# Altium PCB Faith ruler V2.14.PcbDoc
Units mil, origin at the board's own origin, x right, y up, seen from the top; angles counter-clockwise.
Board outline 7995 x 1220 mil, 2 copper layers (Top Layer, Bottom Layer); 16 components, 42 nets, 321 pads, 16 vias.
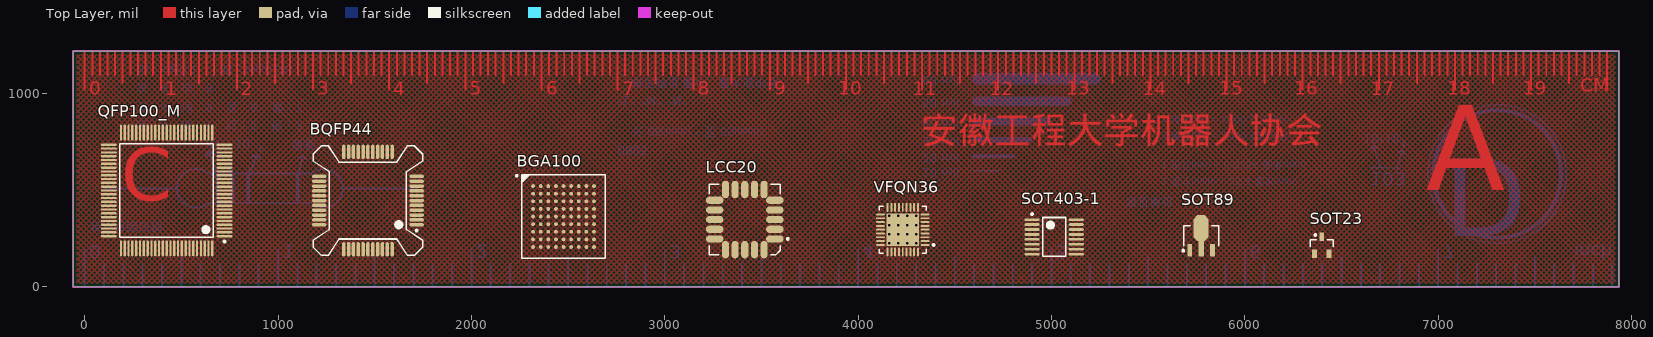
[diagram p0: Top Layer view]
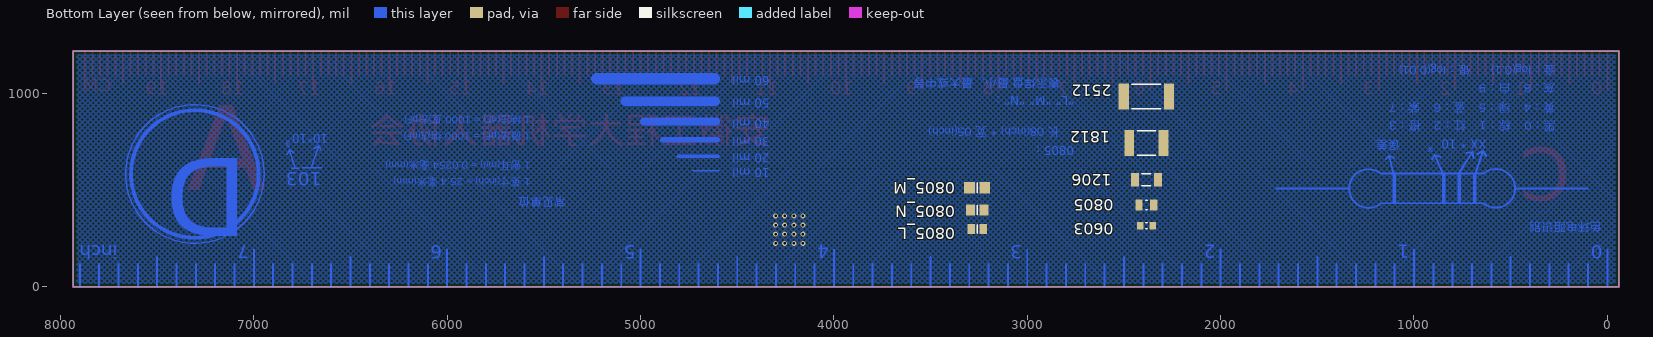
[diagram p1: Bottom Layer view, seen from below]

## Layer stack, top to bottom
Top Solder: solder mask 0.4, Solder Resist, Dk 3.5
Top Layer: signal copper 1.4
Dielectric 1: dielectric 12.6, FR-4, Dk 4.8
Bottom Layer: signal copper 1.4
Bottom Solder: solder mask 0.4, Solder Resist, Dk 3.5

## Board outline
-60,0 -60,1220 7935,1220 7935,0
cut-out: 7335.6,206.97

## Design rules (kind name [scope] priority, off if disabled: settings)
Clearance Clearance_1 [All] p1: gap=10 ignorepadtopadclearanceinfootprint=FALSE
Clearance [All] p2: gap=10 ignorepadtopadclearanceinfootprint=FALSE except(0: Arc-Hole Track-Hole SMDPad-Hole THPad-Hole Via-Hole Fill-Hole Poly-Hole Region-Hole Text-Hole)
PolygonConnect [All] p1: connectstyle=Relief reliefconductorwidth=10 reliefentries=4 polygonreliefangle="90 Angle" airgapwidth=10
RoutingVias [All] p1: holewidth=28 width=50 viastyle="Through Hole" minholewidth=28 minwidth=50 maxholewidth=28 maxwidth=50
SolderMaskExpansion [All] p1: expansion=4 istentingtop=FALSE
Width [All] p1: maxlimit=70 minlimit=7 preferedwidth=10
30 further rules are at their usual default settings.

## Components (designator, comment, footprint, x,y, rotation, side; value= is the part's Value field where it differs from the comment)
0603 "" CAPC1608X04N 2384,315.93 r0 top
0805 "" CAPC2012X06N 2384,424 r0 top
0805_L "Comment" 6-0805_L 3259.07,300 r0 bottom
0805_M "Comment" 6-0805_M 3259.07,513 r0 bottom
0805_N "Comment" 6-0805_N 3259.07,398 r0 bottom
1206 "" CAPC3216X06N 2384,554 r0 top
1812 "" CAPC4832X06N 2384,744 r0 top
2512 "" CAPC6432X06N 2384,985 r0 top
BGA100 "Comment" BGA81C100P9X9_1100X1100X350 2476.63,364.16 r0 top locked
BQFP44 "Comment" BQFP64P1346X1346X254-44M 1465,446.83 r180 top
LCC20 "Comment" LCCS127P889X889X254-20N 3414,348.41 r180 top
QFP100_M "Comment" LQFP100_M 424,499 r180 top
SOT23 "Comment" SOT23_N 6398,215.54 r90 top
SOT89 "Comment" SOT89M 5774,264.75 r90 top
SOT403-1 "Comment" SOT403-1_M 5014,258.84 r0 top
VFQN36 "Comment" VFQN36_M 4231.16,296.24 r180 top

## Footprints (in the part's own frame and the unit in brackets; to place one, negate y for a bottom-side part, rotate by r counter-clockwise, add the part's x,y. Pads: shape width x height; smd on the part's side, far side on the other; paste and mask are expansions set on the pad)
6-0805_L [mm] "Chip Resistor, Body 2.0x1.2mm, IPC High Density"
  rect 1x1.3 smd: 1(-0.8,0) 2(0.8,0)
  silkscreen extent 0,-0.55 0,0.55, body extent -1.07,-0.7 1.07,0.7, height 0.7
6-0805_M [mm] "Chip Resistor, Body 2.0x1.2mm, IPC Low Density"
  rect 1.4x1.5 smd: 1(-1,0) 2(1,0)
  silkscreen extent 0,-0.65 0,0.65, body extent -1.07,-0.7 1.07,0.7, height 0.7
6-0805_N [mm] "Chip Resistor, Body 2.0x1.2mm, IPC Medium Density"
  rect 1.2x1.4 smd: 1(-0.9,0) 2(0.9,0)
  silkscreen extent 0,-0.6 0,0.6, body extent -1.07,-0.7 1.07,0.7, height 0.7
BGA81C100P9X9_1100X1100X350 [mm] "BGA, 81-Leads, Body 11.00x11.00mmx3.50mm, Pitch 1.00mm"
  round 0.5 smd: A1(-4,4) A2(-3,4) A3(-2,4) A4(-1,4) A5(0,4) A6(1,4) A7(2,4) A8(3,4) A9(4,4) B1(-4,3) B2(-3,3) B3(-2,3) B4(-1,3) B5(0,3) B6(1,3) B7(2,3) B8(3,3) B9(4,3) C1(-4,2) C2(-3,2) C3(-2,2) C4(-1,2) C5(0,2) C6(1,2) C7(2,2) C8(3,2) C9(4,2) D1(-4,1) D2(-3,1) D3(-2,1) D4(-1,1) D5(0,1) D6(1,1) D7(2,1) D8(3,1) D9(4,1) E1(-4,0) E2(-3,0) E3(-2,0) E4(-1,0) E5(0,0) E6(1,0) E7(2,0) E8(3,0) E9(4,0) F1(-4,-1) F2(-3,-1) F3(-2,-1) F4(-1,-1) F5(0,-1) F6(1,-1) F7(2,-1) F8(3,-1) F9(4,-1) G1(-4,-2) G2(-3,-2) G3(-2,-2) G4(-1,-2) G5(0,-2) G6(1,-2) G7(2,-2) G8(3,-2) G9(4,-2) H1(-4,-3) H2(-3,-3) H3(-2,-3) H4(-1,-3) H5(0,-3) H6(1,-3) H7(2,-3) H8(3,-3) H9(4,-3) J1(-4,-4) J2(-3,-4) J3(-2,-4) J4(-1,-4) J5(0,-4) J6(1,-4) J7(2,-4) J8(3,-4) J9(4,-4)
  silkscreen extent -6.27,-5.5 5.5,5.5, body extent -5.5,-5.5 5.5,5.5, height 3.5
BQFP64P1346X1346X254-44M [mm] "BQFP, 44-Leads, Body 13.47x13.47mm, Pitch 0.635mm, IPC Low Density"
  oval 1.9x0.45 smd: 1(-6.4,3.175) 2(-6.4,2.54) 3(-6.4,1.905) 4(-6.4,1.27) 5(-6.4,0.635) 6(-6.4,0) 7(-6.4,-0.635) 8(-6.4,-1.27) 9(-6.4,-1.905) 10(-6.4,-2.54) 11(-6.4,-3.175) 23(6.4,-3.175) 24(6.4,-2.54) 25(6.4,-1.905) 26(6.4,-1.27) 27(6.4,-0.635) 28(6.4,0) 29(6.4,0.635) 30(6.4,1.27) 31(6.4,1.905) 32(6.4,2.54) 33(6.4,3.175)
  oval 0.45x1.9 smd: 12(-3.175,-6.4) 13(-2.54,-6.4) 14(-1.905,-6.4) 15(-1.27,-6.4) 16(-0.635,-6.4) 17(0,-6.4) 18(0.635,-6.4) 19(1.27,-6.4) 20(1.905,-6.4) 21(2.54,-6.4) 22(3.175,-6.4) 34(3.175,6.4) 35(2.54,6.4) 36(1.905,6.4) 37(1.27,6.4) 38(0.635,6.4) 39(0,6.4) 40(-0.635,6.4) 41(-1.27,6.4) 42(-1.905,6.4) 43(-2.54,6.4) 44(-3.175,6.4)
  silkscreen extent -7.2,-7.2 7.2,7.2, body extent -7.2,-7.2 7.2,7.2, height 2.54
CAPC1608X04N [mm] "Chip Capacitor, 2-Leads, Body 1.60x0.80mm, IPC Medium Density"
  rect 0.85x1 smd far side: 1(-0.825,0) 2(0.825,0)
  body extent -0.87,-0.47 0.87,0.48, height 0.4
CAPC2012X06N [mm] "Chip Capacitor, 2-Leads, Body 2.00x1.25mm, IPC Medium Density"
  rect 0.95x1.45 smd far side: 1(-0.975,0) 2(0.975,0)
  body extent -1.1,-0.7 1.1,0.7, height 0.6
CAPC3216X06N [mm] "Chip Capacitor, 2-Leads, Body 3.20x1.60mm, IPC Medium Density"
  rect 1.05x1.8 smd far side: 1(-1.525,0) 2(1.525,0)
  body extent -1.7,-0.87 1.7,0.87, height 0.55
CAPC4832X06N [mm] "Chip Capacitor, 2-Leads, Body 4.85x3.20mm, IPC Medium Density"
  rect 1.3x3.4 smd far side: 1(-2.25,0) 2(2.25,0)
  body extent -2.55,-1.7 2.55,1.7, height 0.55
CAPC6432X06N [mm] "Chip Capacitor, 2-Leads, Body 6.40x3.20mm, IPC Medium Density"
  rect 1.35x3.4 smd far side: 1(-2.975,0) 2(2.975,0)
  body extent -3.3,-1.7 3.3,1.7, height 0.55
LCCS127P889X889X254-20N [mm] "LCC, 20-Pins, Body 8.89x8.89mmx2.54mm, Pitch 1.27mm, IPC Medium Density"
  oval 2.3x0.95 smd: 1(-3.95,2.54) 2(-3.95,1.27) 3(-3.95,0) 4(-3.95,-1.27) 5(-3.95,-2.54) 11(3.95,-2.54) 12(3.95,-1.27) 13(3.95,0) 14(3.95,1.27) 15(3.95,2.54)
  oval 0.95x2.3 smd: 6(-2.54,-3.95) 7(-1.27,-3.95) 8(0,-3.95) 9(1.27,-3.95) 10(2.54,-3.95) 16(2.54,3.95) 17(1.27,3.95) 18(0,3.95) 19(-1.27,3.95) 20(-2.54,3.95)
  silkscreen extent -5.77,-4.65 4.65,4.65, body extent -4.45,-4.45 4.45,4.45, height 2.54
LQFP100_M [mm] "Thin QFP, 100-Leads, Body 14x14mm, Pitch 0.5mm, IPC Low Density"
  oval 2.1x0.3 smd: 1(-7.6,6) 2(-7.6,5.5) 3(-7.6,5) 4(-7.6,4.5) 5(-7.6,4) 6(-7.6,3.5) 7(-7.6,3) 8(-7.6,2.5) 9(-7.6,2) 10(-7.6,1.5) 11(-7.6,1) 12(-7.6,0.5) 13(-7.6,0) 14(-7.6,-0.5) 15(-7.6,-1) 16(-7.6,-1.5) 17(-7.6,-2) 18(-7.6,-2.5) 19(-7.6,-3) 20(-7.6,-3.5) 21(-7.6,-4) 22(-7.6,-4.5) 23(-7.6,-5) 24(-7.6,-5.5) 25(-7.6,-6) 51(7.6,-6) 52(7.6,-5.5) 53(7.6,-5) 54(7.6,-4.5) 55(7.6,-4) 56(7.6,-3.5) 57(7.6,-3) 58(7.6,-2.5) 59(7.6,-2) 60(7.6,-1.5) 61(7.6,-1) 62(7.6,-0.5) 63(7.6,0) 64(7.6,0.5) 65(7.6,1) 66(7.6,1.5) 67(7.6,2) 68(7.6,2.5) 69(7.6,3) 70(7.6,3.5) 71(7.6,4) 72(7.6,4.5) 73(7.6,5) 74(7.6,5.5) 75(7.6,6)
  oval 0.3x2.1 smd: 26(-6,-7.6) 27(-5.5,-7.6) 28(-5,-7.6) 29(-4.5,-7.6) 30(-4,-7.6) 31(-3.5,-7.6) 32(-3,-7.6) 33(-2.5,-7.6) 34(-2,-7.6) 35(-1.5,-7.6) 36(-1,-7.6) 37(-0.5,-7.6) 38(0,-7.6) 39(0.5,-7.6) 40(1,-7.6) 41(1.5,-7.6) 42(2,-7.6) 43(2.5,-7.6) 44(3,-7.6) 45(3.5,-7.6) 46(4,-7.6) 47(4.5,-7.6) 48(5,-7.6) 49(5.5,-7.6) 50(6,-7.6) 76(6,7.6) 77(5.5,7.6) 78(5,7.6) 79(4.5,7.6) 80(4,7.6) 81(3.5,7.6) 82(3,7.6) 83(2.5,7.6) 84(2,7.6) 85(1.5,7.6) 86(1,7.6) 87(0.5,7.6) 88(0,7.6) 89(-0.5,7.6) 90(-1,7.6) 91(-1.5,7.6) 92(-2,7.6) 93(-2.5,7.6) 94(-3,7.6) 95(-3.5,7.6) 96(-4,7.6) 97(-4.5,7.6) 98(-5,7.6) 99(-5.5,7.6) 100(-6,7.6)
  silkscreen extent -7.73,-6.15 6.15,6.82, body extent -7,-7 7,7, height 1.6
SOT23_N [mm] "SOT23, 3-Leads, Body 2.9x1.3mm, Pitch 0.95mm, Lead Span 2.3mm - Reverse Pinning, IPC Medium Density"
  rect 1.15x0.6 smd: 1(1.125,0) 2(-1.125,-0.95) 3(-1.125,0.95)
  silkscreen extent -0.2,-1.5 1.47,1.5, body extent -0.7,-1.5 0.7,1.5, height 1.1
SOT89M [mm] "SOT89, 3-Leads, Body 4.5x2.4 mm, Pitch 1.5mm, Lead Span 4.1mm, IPC Low Density"
  rect 1.6x0.6 smd: 1(-1.9,1.5) 3(-1.9,-1.5)
  rect 2x0.7 smd: 2(-1.7,0)
  oct 3.4x2 smd: 2(1,0)
  silkscreen extent -2.07,-2.3 1.3,2.47, body extent -1.3,-2.3 1.3,2.3, height 1.6
SOT403-1_M [mm] "TSOP, 16-Leads, Body 5x4.4mm, Pitch 0.65mm, IPC Low Density"
  oval 2x0.35 smd: 1(-2.9,2.275) 2(-2.9,1.625) 3(-2.9,0.975) 4(-2.9,0.325) 5(-2.9,-0.325) 6(-2.9,-0.975) 7(-2.9,-1.625) 8(-2.9,-2.275) 9(2.9,-2.275) 10(2.9,-1.625) 11(2.9,-0.975) 12(2.9,-0.325) 13(2.9,0.325) 14(2.9,0.975) 15(2.9,1.625) 16(2.9,2.275)
  silkscreen extent -3.02,-2.55 1.5,3.12, body extent -2.25,-2.55 2.25,2.55, height 1.1
VFQN36_M [mm] "QFN, 36-Leads, Body 6x6mm, Pitch 0.5mm, IPC Low Density"
  oval 1.15x0.25 smd: 1(-2.925,2) 2(-2.925,1.5) 3(-2.925,1) 4(-2.925,0.5) 5(-2.925,0) 6(-2.925,-0.5) 7(-2.925,-1) 8(-2.925,-1.5) 9(-2.925,-2) 19(2.925,-2) 20(2.925,-1.5) 21(2.925,-1) 22(2.925,-0.5) 23(2.925,0) 24(2.925,0.5) 25(2.925,1) 26(2.925,1.5) 27(2.925,2)
  oval 0.25x1.15 smd: 10(-2,-2.925) 11(-1.5,-2.925) 12(-1,-2.925) 13(-0.5,-2.925) 14(0,-2.925) 15(0.5,-2.925) 16(1,-2.925) 17(1.5,-2.925) 18(2,-2.925) 28(2,2.925) 29(1.5,2.925) 30(1,2.925) 31(0.5,2.925) 32(0,2.925) 33(-0.5,2.925) 34(-1,2.925) 35(-1.5,2.925) 36(-2,2.925)
  rect 4.3x4.3 smd: 37(0,0)
  silkscreen extent -4.18,-3.1 3.1,3.1, body extent -3.08,-3.08 3.08,3.08, height 1

## Via types
v1: diameter 25.98, hole 12.99, Top Layer to Bottom Layer, tented top, 16 vias

## Nets (pads, with @x,y where several pads share a name; then routed paths per layer and width w, separated by ;. In a path a pad name is that pad's centre, name@x,y a point inside that pad or via, vN(x,y) a via of type N, cw(c..) or ccw(c..) an arc to the next point about the centre after c; other vN are vias at no path point)
+5: 
BOOT0: 
BOOT1: 
GND: 
HH: 
NetD2_1: 
NetD3_1: 
OSC_32K_IN: 
OSC_32k_OUT: 
OSC_IN: 
OSC_OUT: 
PA_0: 
PA_1: 
PA_2: 
PA_3: 
PA_4: 
PA_5: 
PA_6: 
PA_7: 
PA_9: 
PA_10: 
PB0: 
PB1: 
PB3: 
PB4: 
PB5: 
PB6: 
PB7: 
PB8: 
PB9: 
PB10: 
PB11: 
PB12: 
PB13: 
PB14: 
PB15: 
RES: 
SWCLK: 
SWDIO: 
"USB D+": 
"USB D-": 
VBAT: 
pads on no net: 0603.1 0603.2 0805.1 0805.2 0805_L.1 0805_L.2 0805_M.1 0805_M.2 0805_N.1 0805_N.2 1206.1 1206.2 1812.1 1812.2 2512.1 2512.2 BGA100.A1 BGA100.A2 BGA100.A3 BGA100.A4 BGA100.A5 BGA100.A6 BGA100.A7 BGA100.A8 BGA100.A9 BGA100.B1 BGA100.B2 BGA100.B3 BGA100.B4 BGA100.B5 BGA100.B6 BGA100.B7 BGA100.B8 BGA100.B9 BGA100.C1 BGA100.C2 BGA100.C3 BGA100.C4 BGA100.C5 BGA100.C6 BGA100.C7 BGA100.C8 BGA100.C9 BGA100.D1 BGA100.D2 BGA100.D3 BGA100.D4 BGA100.D5 BGA100.D6 BGA100.D7 BGA100.D8 BGA100.D9 BGA100.E1 BGA100.E2 BGA100.E3 BGA100.E4 BGA100.E5 BGA100.E6 BGA100.E7 BGA100.E8 BGA100.E9 BGA100.F1 BGA100.F2 BGA100.F3 BGA100.F4 BGA100.F5 BGA100.F6 BGA100.F7 BGA100.F8 BGA100.F9 BGA100.G1 BGA100.G2 BGA100.G3 BGA100.G4 BGA100.G5 BGA100.G6 BGA100.G7 BGA100.G8 BGA100.G9 BGA100.H1 BGA100.H2 BGA100.H3 BGA100.H4 BGA100.H5 BGA100.H6 BGA100.H7 BGA100.H8 BGA100.H9 BGA100.J1 BGA100.J2 BGA100.J3 BGA100.J4 BGA100.J5 BGA100.J6 BGA100.J7 BGA100.J8 BGA100.J9 BQFP44.1 BQFP44.2 BQFP44.3 BQFP44.4 BQFP44.5 BQFP44.6 BQFP44.7 BQFP44.8 BQFP44.9 BQFP44.10 BQFP44.11 BQFP44.12 BQFP44.13 BQFP44.14 BQFP44.15 BQFP44.16 BQFP44.17 BQFP44.18 BQFP44.19 BQFP44.20 BQFP44.21 BQFP44.22 BQFP44.23 BQFP44.24 BQFP44.25 BQFP44.26 BQFP44.27 BQFP44.28 BQFP44.29 BQFP44.30 BQFP44.31 BQFP44.32 BQFP44.33 BQFP44.34 BQFP44.35 BQFP44.36 BQFP44.37 BQFP44.38 BQFP44.39 BQFP44.40 BQFP44.41 BQFP44.42 BQFP44.43 BQFP44.44 LCC20.1 LCC20.2 LCC20.3 LCC20.4 LCC20.5 LCC20.6 LCC20.7 LCC20.8 LCC20.9 LCC20.10 LCC20.11 LCC20.12 LCC20.13 LCC20.14 LCC20.15 LCC20.16 LCC20.17 LCC20.18 LCC20.19 LCC20.20 QFP100_M.1 QFP100_M.2 QFP100_M.3 QFP100_M.4 QFP100_M.5 QFP100_M.6 QFP100_M.7 QFP100_M.8 QFP100_M.9 QFP100_M.10 QFP100_M.11 QFP100_M.12 QFP100_M.13 QFP100_M.14 QFP100_M.15 QFP100_M.16 QFP100_M.17 QFP100_M.18 QFP100_M.19 QFP100_M.20 QFP100_M.21 QFP100_M.22 QFP100_M.23 QFP100_M.24 QFP100_M.25 QFP100_M.26 QFP100_M.27 QFP100_M.28 QFP100_M.29 QFP100_M.30 QFP100_M.31 QFP100_M.32 QFP100_M.33 QFP100_M.34 QFP100_M.35 QFP100_M.36 QFP100_M.37 QFP100_M.38 QFP100_M.39 QFP100_M.40 QFP100_M.41 QFP100_M.42 QFP100_M.43 QFP100_M.44 QFP100_M.45 QFP100_M.46 QFP100_M.47 QFP100_M.48 QFP100_M.49 QFP100_M.50 QFP100_M.51 QFP100_M.52 QFP100_M.53 QFP100_M.54 QFP100_M.55 QFP100_M.56 QFP100_M.57 QFP100_M.58 QFP100_M.59 QFP100_M.60 QFP100_M.61 QFP100_M.62 QFP100_M.63 QFP100_M.64 QFP100_M.65 QFP100_M.66 QFP100_M.67 QFP100_M.68 QFP100_M.69 QFP100_M.70 QFP100_M.71 QFP100_M.72 QFP100_M.73 QFP100_M.74 QFP100_M.75 QFP100_M.76 QFP100_M.77 QFP100_M.78 QFP100_M.79 QFP100_M.80 QFP100_M.81 QFP100_M.82 QFP100_M.83 QFP100_M.84 QFP100_M.85 QFP100_M.86 QFP100_M.87 QFP100_M.88 QFP100_M.89 QFP100_M.90 QFP100_M.91 QFP100_M.92 QFP100_M.93 QFP100_M.94 QFP100_M.95 QFP100_M.96 QFP100_M.97 QFP100_M.98 QFP100_M.99 QFP100_M.100 SOT23.1 SOT23.2 SOT23.3 SOT89.1 SOT89.2 SOT89.3 SOT403-1.1 SOT403-1.2 SOT403-1.3 SOT403-1.4 SOT403-1.5 SOT403-1.6 SOT403-1.7 SOT403-1.8 SOT403-1.9 SOT403-1.10 SOT403-1.11 SOT403-1.12 SOT403-1.13 SOT403-1.14 SOT403-1.15 SOT403-1.16 VFQN36.1 VFQN36.2 VFQN36.3 VFQN36.4 VFQN36.5 VFQN36.6 VFQN36.7 VFQN36.8 VFQN36.9 VFQN36.10 VFQN36.11 VFQN36.12 VFQN36.13 VFQN36.14 VFQN36.15 VFQN36.16 VFQN36.17 VFQN36.18 VFQN36.19 VFQN36.20 VFQN36.21 VFQN36.22 VFQN36.23 VFQN36.24 VFQN36.25 VFQN36.26 VFQN36.27 VFQN36.28 VFQN36.29 VFQN36.30 VFQN36.31 VFQN36.32 VFQN36.33 VFQN36.34 VFQN36.35 VFQN36.36 VFQN36.37
copper on no net: | length 49648.9
  Top Layer w10.24: 0,1020 0,1217 ; 39.37,1096 39.37,1217 ; 78.74,1096 78.74,1217 ; 118.11,1096 118.11,1217 ; 157.48,1096 157.48,1217 ; 196.85,1055 196.85,1217 ; 236.22,1096 236.22,1217 ; 275.59,1096 275.59,1217 ; 314.96,1096 314.96,1217 ; 354.33,1096 354.33,1217 ; 393.7,1020 393.7,1217 ; 433.07,1096 433.07,1217 ; 472.44,1096 472.44,1217 ; 511.81,1096 511.81,1217 ; 551.18,1096 551.18,1217 ; 590.55,1055 590.55,1217 ; 629.92,1096 629.92,1217 ; 669.29,1096 669.29,1217 ; 708.66,1096 708.66,1217 ; 748.03,1096 748.03,1217 ; 787.4,1020 787.4,1217 ; 826.77,1096 826.77,1217 ; 866.14,1096 866.14,1217 ; 905.51,1096 905.51,1217 ; 944.88,1096 944.88,1217 ; 984.25,1055 984.25,1217 ; 1023.62,1096 1023.62,1217 ; 1062.99,1096 1062.99,1217 ; 1102.36,1096 1102.36,1217 ; 1141.73,1096 1141.73,1217 ; 1181.1,1020 1181.1,1217 ; 1220.47,1096 1220.47,1217 ; 1259.84,1096 1259.84,1217 ; 1299.21,1096 1299.21,1217 ; 1338.58,1096 1338.58,1217 ; 1377.95,1055 1377.95,1217 ; 1417.32,1096 1417.32,1217 ; 1456.69,1096 1456.69,1217 ; 1496.06,1096 1496.06,1217 ; 1535.43,1096 1535.43,1217 ; 1574.8,1020 1574.8,1217 ; 1614.17,1096 1614.17,1217 ; 1653.54,1096 1653.54,1217 ; 1692.91,1096 1692.91,1217 ; 1732.28,1096 1732.28,1217 ; 1771.65,1055 1771.65,1217 ; 1811.02,1096 1811.02,1217 ; 1850.39,1096 1850.39,1217 ; 1889.76,1096 1889.76,1217 ; 1929.13,1096 1929.13,1217 ; 1968.51,1020 1968.51,1217 ; 2007.88,1096 2007.88,1217 ; 2047.25,1096 2047.25,1217 ; 2086.62,1096 2086.62,1217 ; 2125.99,1096 2125.99,1217 ; 2165.36,1055 2165.36,1217 ; 2204.73,1096 2204.73,1217 ; 2244.1,1096 2244.1,1217 ; 2283.47,1096 2283.47,1217 ; 2322.84,1096 2322.84,1217 ; 2362.21,1020 2362.21,1217 ; 2401.58,1096 2401.58,1217 ; 2440.95,1096 2440.95,1217 ; 2480.32,1096 2480.32,1217 ; 2519.69,1096 2519.69,1217 ; 2559.06,1055 2559.06,1217 ; 2598.43,1096 2598.43,1217 ; 2637.8,1096 2637.8,1217 ; 2677.17,1096 2677.17,1217 ; 2716.54,1096 2716.54,1217 ; 2755.91,1020 2755.91,1217 ; 2795.28,1096 2795.28,1217 ; 2834.65,1096 2834.65,1217 ; 2874.02,1096 2874.02,1217 ; 2913.39,1096 2913.39,1217 ; 2952.76,1055 2952.76,1217 ; 2992.13,1096 2992.13,1217 ; 3031.5,1096 3031.5,1217 ; 3070.87,1096 3070.87,1217 ; 3110.24,1096 3110.24,1217 ; 3149.61,1020 3149.61,1217 ; 3188.98,1096 3188.98,1217 ; 3228.35,1096 3228.35,1217 ; 3267.72,1096 3267.72,1217 ; 3307.09,1096 3307.09,1217 ; 3346.46,1055 3346.46,1217 ; 3385.83,1096 3385.83,1217 ; 3425.2,1096 3425.2,1217 ; 3464.57,1096 3464.57,1217 ; 3503.94,1096 3503.94,1217 ; 3543.31,1020 3543.31,1217 ; 3582.68,1096 3582.68,1217 ; 3622.05,1096 3622.05,1217 ; 3661.42,1096 3661.42,1217 ; 3700.79,1096 3700.79,1217 ; 3740.16,1055 3740.16,1217 ; 3779.53,1096 3779.53,1217 ; 3818.9,1096 3818.9,1217 ; 3858.27,1096 3858.27,1217 ; 3897.64,1096 3897.64,1217 ; 3937.01,1020 3937.01,1217 ; 3976.38,1096 3976.38,1217 ; 4015.75,1096 4015.75,1217 ; 4055.12,1096 4055.12,1217 ; 4094.49,1096 4094.49,1217 ; 4133.86,1055 4133.86,1217 ; 4173.23,1096 4173.23,1217 ; 4212.6,1096 4212.6,1217 ; 4251.97,1096 4251.97,1217 ; 4291.34,1096 4291.34,1217 ; 4330.71,1020 4330.71,1217 ; 4370.08,1096 4370.08,1217 ; 4409.45,1096 4409.45,1217 ; 4448.82,1096 4448.82,1217 ; 4488.19,1096 4488.19,1217 ; 4527.56,1055 4527.56,1217 ; 4566.93,1096 4566.93,1217 ; 4606.3,1096 4606.3,1217 ; 4645.67,1096 4645.67,1217 ; 4685.04,1096 4685.04,1217 ; 4724.41,1020 4724.41,1217 ; 4763.78,1096 4763.78,1217 ; 4803.15,1096 4803.15,1217 ; 4842.52,1096 4842.52,1217 ; 4881.89,1096 4881.89,1217 ; 4921.26,1055 4921.26,1217 ; 4960.63,1096 4960.63,1217 ; 5000,1096 5000,1217 ; 5039.37,1096 5039.37,1217 ; 5078.74,1096 5078.74,1217 ; 5118.11,1020 5118.11,1217 ; 5157.48,1096 5157.48,1217 ; 5196.85,1096 5196.85,1217 ; 5236.22,1096 5236.22,1217 ; 5275.59,1096 5275.59,1217 ; 5314.96,1055 5314.96,1217 ; 5354.33,1096 5354.33,1217 ; 5393.7,1096 5393.7,1217 ; 5433.07,1096 5433.07,1217 ; 5472.44,1096 5472.44,1217 ; 5511.81,1020 5511.81,1217 ; 5551.18,1096 5551.18,1217 ; 5590.55,1096 5590.55,1217 ; 5629.92,1096 5629.92,1217 ; 5669.29,1096 5669.29,1217 ; 5708.66,1055 5708.66,1217 ; 5748.03,1096 5748.03,1217 ; 5787.4,1096 5787.4,1217 ; 5826.77,1096 5826.77,1217 ; 5866.14,1096 5866.14,1217 ; 5905.52,1020 5905.52,1217 ; 5944.89,1096 5944.89,1217 ; 5984.26,1096 5984.26,1217 ; 6023.63,1096 6023.63,1217 ; 6063,1096 6063,1217 ; 6102.37,1055 6102.37,1217 ; 6141.74,1096 6141.74,1217 ; 6181.11,1096 6181.11,1217 ; 6220.48,1096 6220.48,1217 ; 6259.85,1096 6259.85,1217 ; 6299.22,1020 6299.22,1217 ; 6338.59,1096 6338.59,1217 ; 6377.96,1096 6377.96,1217 ; 6417.33,1096 6417.33,1217 ; 6456.7,1096 6456.7,1217 ; 6496.07,1055 6496.07,1217 ; 6535.44,1096 6535.44,1217 ; 6574.81,1096 6574.81,1217 ; 6614.18,1096 6614.18,1217 ; 6653.55,1096 6653.55,1217 ; 6692.92,1020 6692.92,1217 ; 6732.29,1096 6732.29,1217 ; 6771.66,1096 6771.66,1217 ; 6811.03,1096 6811.03,1217 ; 6850.4,1096 6850.4,1217 ; 6889.77,1055 6889.77,1217 ; 6929.14,1096 6929.14,1217 ; 6968.51,1096 6968.51,1217 ; 7007.88,1096 7007.88,1217 ; 7047.25,1096 7047.25,1217 ; 7125.99,1096 7125.99,1217 ; 7165.36,1096 7165.36,1217 ; 7204.73,1096 7204.73,1217 ; 7244.1,1096 7244.1,1217 ; 7283.47,1055 7283.47,1217 ; 7322.84,1096 7322.84,1217 ; 7362.21,1096 7362.21,1217 ; 7401.58,1096 7401.58,1217 ; 7440.95,1096 7440.95,1217 ; 7480.32,1020 7480.32,1217 ; 7519.69,1096 7519.69,1217 ; 7559.06,1096 7559.06,1217 ; 7598.43,1096 7598.43,1217 ; 7637.8,1096 7637.8,1217 ; 7677.17,1055 7677.17,1217 ; 7716.54,1096 7716.54,1217 ; 7755.91,1096 7755.91,1217 ; 7795.28,1096 7795.28,1217 ; 7834.65,1096 7834.65,1217 ; 7874.02,1020 7874.02,1217 ; 7086.62,1020 7086.62,1217 7086.62,1020
  Bottom Layer w7: 6646.5,616 6751.5,616 ; 6654,706 6664,731 ; 6689,716 6664,731 ; 6704,616 6664,731 ; 6766,615 6806,615 ; 6786,615 6816,710 ; 6791,695 6816,710 ; 6826,685 6816,710 ; 6946.83,575.55 cw(c7305,584) 6946.88,573.56
  Bottom Layer w10: 0,0 0,195 ; 99,510 477,510 ; 300,0 300,120 ; 400,0 400,120 ; 500,0 500,155 ; 600,0 600,120 ; 628,678 643,703 ; 641.67,586.43 ccw(c577,510) 641,433 661,433 682,433 ; 642.35,585.76 661,585.76 682,585.76 ; 673,688 643,703 ; 682,586 682,433 ; 690,433 690,585 ; 693,668 698,698 ; 700,0 700,120 ; 728,693 698,698 ; 762,583 762,433 762,586 ; 800,0 800,120 ; 842,433 842,583 ; 850,433 850,585 893,683 ; 863,673 893,683 ; 900,0 900,120 ; 908,658 893,683 ; 1000,0 1000,195 ; 1098,433 1098,583 ; 1100,0 1100,120 ; 1103,668 1128,678 ; 1106,433 1106,585 1128,678 ; 1146,661 1128,678 ; 1170.08,432.33 ccw(c1234.76,508.76) 1170.76,585.76 682,585.76 ; 1170.08,433 682,433 ; 1200,0 1200,120 ; 1300,0 1300,120 ; 1334,509 1712,509 ; 1400,0 1400,120 ; 1500,0 1500,155 ; 1600,0 1600,120 ; 1700,0 1700,120 ; 1800,0 1800,120 ; 1900,0 1900,120 ; 2000,0 2000,195 ; 2100,0 2100,120 ; 2200,0 2200,120 ; 2300,0 2300,120 ; 2400,0 2400,120 ; 2500,0 2500,155 ; 2600,0 2600,120 ; 2700,0 2700,120 ; 2800,0 2800,120 ; 2900,0 2900,120 ; 3000,0 3000,195 ; 3100,0 3100,120 ; 3200,0 3200,120 ; 3300,0 3300,120 ; 3400,0 3400,120 ; 3500,0 3500,155 ; 3600,0 3600,120 ; 3700,0 3700,120 ; 3800,0 3800,120 ; 3900,0 3900,120 ; 4100,0 4100,120 ; 4200,0 4200,120 ; 4300,0 4300,120 ; 4400,0 4400,120 ; 4500,0 4500,155 ; 4594,601 4730,601 ; 4600,0 4600,120 ; 4700,0 4700,120 ; 4800,0 4800,120 ; 4900,0 4900,120 ; 5000,0 5000,195 ; 5100,0 5100,120 ; 5200,0 5200,120 ; 5300,0 5300,120 ; 5400,0 5400,120 ; 5500,0 5500,155 ; 5600,0 5600,120 ; 5700,0 5700,120 ; 5800,0 5800,120 ; 5900,0 5900,120 ; 6000,0 6000,195 ; 6100,0 6100,120 ; 6200,0 6200,120 ; 6300,0 6300,120 ; 6400,0 6400,120 ; 6500,0 6500,155 ; 6600,0 6600,120 ; 6700,0 6700,120 ; 6800,0 6800,120 ; 6900,0 6900,120 ; 7000,0 7000,195 ; 7100,0 7100,120 ; 7200,0 7200,120 ; 7300,0 7300,120 ; 7400,0 7400,120 ; 7500,0 7500,155 ; 7600,0 7600,120 ; 7700,0 7700,120 ; 7800,0 7800,120 ; 7900,0 7900,120 ; 643,703 682,585.76 ; 698,698 770,585 ; 770,585 770,433 770,585 ; 100,0 100,120 100,0 ; 200,0 200,120 200,0 ; 4000,0 4000,195 4000,0
  Bottom Layer w20: 4599,676 4804,676 ; 6975.21,572.34 cw(c7305,584) 6975.32,569.39
  Bottom Layer w30: 4604,761 4885,761
  Bottom Layer w40: 4609,856 4983,856
  Bottom Layer w50: 4614,961 5078,961
  Bottom Layer w60: 4619,1076 5226.6,1076
  other v1: 4160.29,225.38 4207.54,225.38 4254.78,225.38 4302.02,225.38 4160.29,272.62 4207.54,272.62 4254.78,272.62 4302.02,272.62 4160.29,319.87 4207.54,319.87 4254.78,319.87 4302.02,319.87 4160.29,367.11 4207.54,367.11 4254.78,367.11 4302.02,367.11

## Polygon pours and split planes (outlines as drawn)
no net on Bottom Layer "NONET_L02_P005" (hatched 45Degree grid 20 track 10, remove dead copper, pour order 5): -60,1220 -60,0 7935,0 7935,1220
no net on Top Layer "NONET_L-01_P-001" (hatched 45Degree grid 20 track 8, pour order 9): 7935,1220 7935,0 -60,0 -60,1220

## Keep-outs
Keep-Out Layer:
  the board outline again, w10

## Other copper
Top Layer:
  text "CM" at 7735,986.42 h118.11
  text "0" at 25,970 h118.11
  text "3" at 1202,970 h118.11
  text "5" at 1992,970.22 h118.11
  text "6" at 2387,970.22 h118.11
  text "8" at 3172,970.22 h118.11
  text "9" at 3567,970.22 h118.11
  text "10" at 3897,970 h118.11
  text "13" at 5077,970 h118.11
  text "15" at 5867,970.22 h118.11
  text "16" at 6257,970.22 h118.11
  text "18" at 7047,970.22 h118.11
  text "19" at 7437,970.22 h118.11
  text "1" at 416,968.8 h118.11
  text "2" at 807,968.8 h118.11
  text "4" at 1597,968.8 h118.11
  text "7" at 2782,968.8 h118.11
  text "11" at 4282,968.8 h118.11
  text "12" at 4682,968.8 h118.11
  text "14" at 5472,968.8 h118.11
  text "17" at 6652,968.8 h118.11
  text "安徽工程大学机器人协会" at 4327,697 h236.22
  text "A" at 6935,355.89 h751.97
  text "C" at 189,355 h472.44
Bottom Layer:
  text "金：log(0.1)      银：log(0.01)" at 270.43,1157 h78.74 r180
  text "60 mil" at 4331.71,1103.96 h78.74 r180
  text "表示焊盘 最小、最大或中等" at 2829.79,1091 h78.74 r180
  text "灰：8    白：9" at 269.41,1064 h78.74 r180
  text "“L” “M” “N” :" at 2757.43,1003 h78.74 r180
  text "50 mil" at 4332,988.96 h78.74 r180
  text "黄：4    绿：5    蓝：6    紫：7" at 268.68,963 h78.74 r180
  text "1 纳法(nF) = 1000 皮法(pF)" at 5569,896 h66.93 r180
  text "40 mil" at 4332,884.03 h78.74 r180
  text "黑：0    棕：1    红：2    橙：3" at 267,869 h78.74 r180
  text "长 08(inch) * 宽 05(inch)" at 2831.76,839 h78.74 r180
  text "1 微法(μF) = 1000 纳法(nF)" at 5569,811 h66.93 r180
  text "10*10" at 6614,806 h78.74 r180
  text "D" at 7030.5,797.5 h692.91 r180
  text "30 mil" at 4331.93,789.03 h78.74 r180
  text "XX * 10" at 623,778 h78.74 r180
  text "误差" at 1070,772 h78.74 r180
  text "3" at 6807,769 h59.06 r180
  text "0805 :" at 2757.79,744 h78.74 r180
  text "x" at 898,737 h66.93 r180
  text "20 mil" at 4332,704.07 h78.74 r180
  text "1 密耳(mil) = 0.0254 毫米(mm)" at 5569,661 h66.93 r180
  text "10 mil" at 4331.93,629.03 h78.74 r180
  text "103" at 6649,616 h118.11 r180
  text "1 英寸(inch) = 25.4 毫米(mm)" at 5569,576 h66.93 r180
  text "常见单位" at 5384,476 h78.74 r180
  text "色环电阻识别" at 30,348 h78.74 r180
  text "1" at 1025,241.2 h118.11 r180
  text "2" at 2025,241.2 h118.11 r180
  text "4" at 4025,241.2 h118.11 r180
  text "7" at 7025,241.2 h118.11 r180
  text "0" at 25,240 h118.11 r180
  text "3" at 3025,240 h118.11 r180
  text "5" at 5025,239.78 h118.11 r180
  text "6" at 6025,239.78 h118.11 r180
  text "inch" at 7705,239.78 h118.11 r180

## Silkscreen, mask and mechanical layers (free items; w line width, h text height)
Top Solder:
  drawing of 202 lines, arcs and shapes, not listed
  text "CM" at 7735,986.42 h118.11
  text "0" at 25,970 h118.11
  text "3" at 1202,970 h118.11
  text "5" at 1992,970.22 h118.11
  text "6" at 2387,970.22 h118.11
  text "8" at 3172,970.22 h118.11
  text "9" at 3567,970.22 h118.11
  text "10" at 3897,970 h118.11
  text "13" at 5077,970 h118.11
  text "15" at 5867,970.22 h118.11
  text "16" at 6257,970.22 h118.11
  text "18" at 7047,970.22 h118.11
  text "19" at 7437,970.22 h118.11
  text "1" at 416,968.8 h118.11
  text "2" at 807,968.8 h118.11
  text "4" at 1597,968.8 h118.11
  text "7" at 2782,968.8 h118.11
  text "11" at 4282,968.8 h118.11
  text "12" at 4682,968.8 h118.11
  text "14" at 5472,968.8 h118.11
  text "17" at 6652,968.8 h118.11
  text "安徽工程大学机器人协会" at 4327,697 h236.22
  text "A" at 6935,356 h751.97
  text "C" at 189,355 h472.44
Bottom Solder:
  rectangle: 4595,201.24 4788,391.24
  lines w7: 6646.5,616 6751.5,616 ; 6654,706 6664,731 ; 6689,716 6664,731 ; 6704,616 6664,731 ; 6766,615 6806,615 ; 6786,615 6816,710 ; 6791,695 6816,710 ; 6826,685 6816,710 ; 6946.83,575.55 cw(c7305,584) 6946.88,573.56
  lines w10: 0,0 0,195 ; 99,510 477,510 ; 100,0 100,120 ; 300,0 300,120 ; 400,0 400,120 ; 500,0 500,155 ; 600,0 600,120 ; 628,678 643,703 ; 641.67,586.43 ccw(c577,510) 641,433 661,433 682,433 ; 642.35,585.76 661,585.76 682,585.76 ; 673,688 643,703 ; 682,586 682,433 ; 690,433 690,585 ; 693,668 698,698 ; 700,0 700,120 ; 728,693 698,698 ; 762,583 762,433 762,586 ; 800,0 800,120 ; 842,433 842,583 ; 850,433 850,585 893,683 ; 863,673 893,683 ; 900,0 900,120 ; 908,658 893,683 ; 1000,0 1000,195 ; 1098,433 1098,583 ; 1100,0 1100,120 ; 1103,668 1128,678 ; 1106,433 1106,585 1128,678 ; 1146,661 1128,678 ; 1170.08,432.33 ccw(c1234.76,508.76) 1170.76,585.76 682,585.76 ; 1170.08,433 682,433 ; 1200,0 1200,120 ; 1300,0 1300,120 ; 1334,509 1712,509 ; 1400,0 1400,120 ; 1500,0 1500,155 ; 1600,0 1600,120 ; 1700,0 1700,120 ; 1800,0 1800,120 ; 1900,0 1900,120 ; 2000,0 2000,195 ; 2100,0 2100,120 ; 2200,0 2200,120 ; 2300,0 2300,120 ; 2400,0 2400,120 ; 2500,0 2500,155 ; 2600,0 2600,120 ; 2700,0 2700,120 ; 2800,0 2800,120 ; 2900,0 2900,120 ; 3000,0 3000,195 ; 3100,0 3100,120 ; 3200,0 3200,120 ; 3300,0 3300,120 ; 3400,0 3400,120 ; 3500,0 3500,155 ; 3600,0 3600,120 ; 3700,0 3700,120 ; 3800,0 3800,120 ; 3900,0 3900,120 ; 4100,0 4100,120 ; 4200,0 4200,120 ; 4300,0 4300,120 ; 4400,0 4400,120 ; 4500,0 4500,155 ; 4594,601 4730,601 ; 4600,0 4600,120 ; 4700,0 4700,120 ; 4800,0 4800,120 ; 4900,0 4900,120 ; 5000,0 5000,195 ; 5100,0 5100,120 ; 5200,0 5200,120 ; 5300,0 5300,120 ; 5400,0 5400,120 ; 5500,0 5500,155 ; 5600,0 5600,120 ; 5700,0 5700,120 ; 5800,0 5800,120 ; 5900,0 5900,120 ; 6000,0 6000,195 ; 6100,0 6100,120 ; 6200,0 6200,120 ; 6300,0 6300,120 ; 6400,0 6400,120 ; 6500,0 6500,155 ; 6600,0 6600,120 ; 6700,0 6700,120 ; 6800,0 6800,120 ; 6900,0 6900,120 ; 7000,0 7000,195 ; 7100,0 7100,120 ; 7200,0 7200,120 ; 7300,0 7300,120 ; 7400,0 7400,120 ; 7500,0 7500,155 ; 7600,0 7600,120 ; 7700,0 7700,120 ; 7800,0 7800,120 ; 7900,0 7900,120 ; 643,703 682,585.76 ; 698,698 770,585 ; 770,585 770,433 770,585 ; 200,0 200,120 200,0 ; 4000,0 4000,195 4000,0
  lines w20: 4599,676 4804,676 ; 6975.21,572.34 cw(c7305,584) 6975.32,569.39
  lines w30: 4604,761 4885,761
  lines w40: 4609,856 4983,856
  lines w50: 4614,961 5078,961
  lines w60: 4619,1076 5226.6,1076
  text "金：log(0.1)      银：log(0.01)" at 270.43,1157 h78.74 r180
  text "60 mil" at 4331.71,1103.96 h78.74 r180
  text "表示焊盘 最小、最大或中等" at 2829.79,1091 h78.74 r180
  text "灰：8    白：9" at 269.41,1064 h78.74 r180
  text "“L” “M” “N” :" at 2757.43,1003 h78.74 r180
  text "50 mil" at 4332,988.96 h78.74 r180
  text "黄：4    绿：5    蓝：6    紫：7" at 268.68,963 h78.74 r180
  text "1 纳法(nF) = 1000 皮法(pF)" at 5569,896 h66.93 r180
  text "40 mil" at 4332,884.03 h78.74 r180
  text "黑：0    棕：1    红：2    橙：3" at 267,869 h78.74 r180
  text "长 08(inch) * 宽 05(inch)" at 2831.76,839 h78.74 r180
  text "1 微法(μF) = 1000 纳法(nF)" at 5569,811 h66.93 r180
  text "10*10" at 6614,806 h78.74 r180
  text "D" at 7030.5,797.5 h692.91 r180
  text "30 mil" at 4331.93,789.03 h78.74 r180
  text "XX * 10" at 623,778 h78.74 r180
  text "误差" at 1070,772 h78.74 r180
  text "3" at 6807,769 h59.06 r180
  text "0805 :" at 2757.79,744 h78.74 r180
  text "x" at 898,737 h66.93 r180
  text "20 mil" at 4332,704.07 h78.74 r180
  text "1 密耳(mil) = 0.0254 毫米(mm)" at 5569,661 h66.93 r180
  text "10 mil" at 4331.93,629.03 h78.74 r180
  text "103" at 6649,616 h118.11 r180
  text "1 英寸(inch) = 25.4 毫米(mm)" at 5569,576 h66.93 r180
  text "常见单位" at 5384,476 h78.74 r180
  text "色环电阻识别" at 30,348 h78.74 r180
  text "1" at 1025,241.2 h118.11 r180
  text "2" at 2025,241.2 h118.11 r180
  text "4" at 4025,241.2 h118.11 r180
  text "7" at 7025,241.2 h118.11 r180
  text "0" at 25,240 h118.11 r180
  text "3" at 3025,240 h118.11 r180
  text "5" at 5025,239.78 h118.11 r180
  text "6" at 6025,239.78 h118.11 r180
  text "inch" at 7705,239.78 h118.11 r180